# KiCad board SweetBusiness.kicad_pcb (continued)
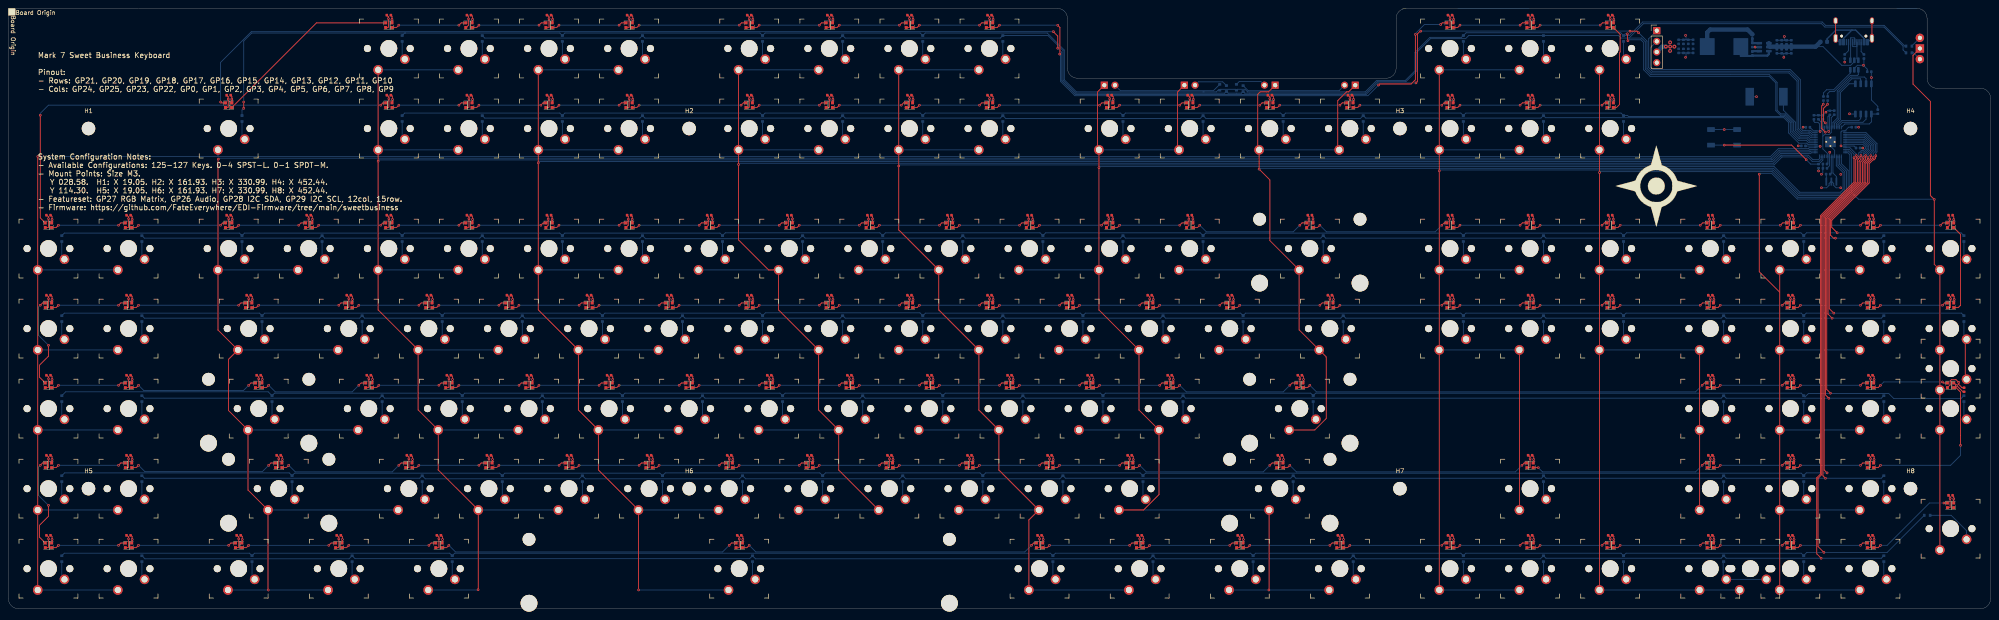
[diagram p0: board, top side]
## Nets (continued)
Net-(LD87-DOUT): LD87.1 LD88.3
Net-(LD88-DOUT): LD88.1 LD89.3
Net-(LD89-DOUT): LD89.1 LD90.3
Net-(LD90-DOUT): LD90.1 LD91.3
Net-(LD91-DOUT): LD91.1 LD92.3
Net-(LD93-DIN): LD93.3 LD94.1
Net-(LD94-DIN): LD94.3 LD95.1
Net-(LD95-DIN): LD95.3 LD96.1
Net-(LD96-DIN): LD96.3 LD97.1
Net-(LD97-DIN): LD97.3 LD98.1
Net-(LD98-DIN): LD98.3 LD99.1
Net-(LD100-DIN): LD100.3 LD101.1
Net-(LD100-DOUT): LD99.3 LD100.1
Net-(LD101-DIN): LD101.3 LD102.1
Net-(LD102-DIN): LD102.3 LD103.1
Net-(LD103-DIN): LD103.3 LD104.1
Net-(LD104-DIN): LD104.3 LD105.1
Net-(LD105-DIN): LD105.3 LD106.1
Net-(LD106-DIN): LD106.3 LD107.1
Net-(LD107-DIN): LD107.3 LD108.1
Net-(LD108-DIN): LD108.3 LD109.1
Net-(LD109-DIN): LD109.3 LD110.1
Net-(LD110-DIN): LD92.1 LD110.3
Net-(LD111-DIN): LD93.1 LD111.3
Net-(LD111-DOUT): LD111.1 LD112.3
Net-(LD112-DOUT): LD112.1 LD113.3
Net-(LD113-DOUT): LD113.1 LD114.3
Net-(LD114-DOUT): LD114.1 LD115.3
Net-(LD115-DOUT): LD115.1 LD116.3
Net-(LD116-DOUT): LD116.1 LD117.3
Net-(LD117-DOUT): LD117.1 LD118.3
Net-(LD118-DOUT): LD118.1 LD119.3
Net-(LD119-DOUT): LD119.1 LD120.3
Net-(LD120-DOUT): LD120.1 LD121.3
Net-(LD121-DOUT): LD121.1 LD122.3
Net-(LD122-DOUT): LD122.1 LD123.3
Net-(LD123-DOUT): LD123.1 LD124.3
Net-(LD124-DOUT): LD124.1 LD125.3
Net-(LD125-DOUT): LD125.1 LD126.3
Net-(LD126-DOUT): LD126.1 LD127.3
Net-(RX2-Pad2): RX2.2 Y0.3
Net-(U0-USB_DM): RD2.2 U0.46
Net-(U0-USB_DP): RD1.2 U0.47
Net-(U1-BS): CP1.1 U1.1
Net-(U1-FB): RP1.2 RP2.1 U1.3
Net-(U1-SW): CP1.2 LP1.1 U1.6

Pads without a net: J4 A8 B8; LD127 1; U0 24 25

## Via types
v1: diameter 0.6, hole 0.3, Top to Bottom, 583 vias
v2: diameter 0.9, hole 0.45, Top to Bottom, 5 vias

## Routing (per net, layer and track width the routed paths; a pad name or vN(x,y) marks a point on that pad's centre or on a via; arc(x,y) is an arc through that point)
+1V1: length 18.1
  Bottom w0.2: C10.1 432.79,106.07 U0.23 432.79,108.24 431.59,109.44 U0.45 431.59,116.48 ; 431.59,112.47 431.95,112.84 433.06,112.84 433.59,113.37 U0.50 433.59,116.88 C11.1
+3V3: length 429.8
  Top w0.2: 71.06,93.66 71.45,93.28 v1(71.45,92.83) 71.45,90.83 71.35,90.73 70.8,90.73 ; 300.9,120.41 v1(300.9,121.24) 300.9,121.97 300.63,122.24 ; LD42.4 280.79,91.28 v1(280.79,92.73) 280.79,93.38 LC42.2 ; 142.5,55.56 142.88,55.18 v1(142.88,54.73) 142.88,52.73 142.78,52.63 142.24,52.63 ; 195.86,122.24 196.12,121.97 v1(196.12,121.24) 196.12,120.41 ; 362.55,122.24 362.81,121.97 v1(362.81,121.24) 362.81,120.41 ; 29.44,72.78 v1(29.44,73.62) 29.44,74.35 29.17,74.61 ; 91.08,122.24 91.35,121.97 v1(91.35,121.24) 91.35,120.41 ; 244.89,17.46 245.28,17.08 v1(245.28,16.63) 245.28,14.63 245.18,14.53 244.63,14.53 ; 77.94,14.53 78.49,14.53 78.59,14.63 v1(78.59,16.63) 78.59,17.08 78.21,17.46 ; 57.75,74.61 58.01,74.35 v1(58.01,73.62) 58.01,72.78 ; 180.34,52.63 180.88,52.63 180.99,52.73 v1(180.99,54.73) 180.99,55.18 180.6,55.56 ; 65.15,34.68 v1(65.15,35.52) 65.15,36.25 64.89,36.51 ; LC50.2 461.76,93.38 v1(461.76,92.73) 461.76,91.28 LD50.4 ; 81.56,74.61 81.82,74.35 v1(81.82,73.62) 81.82,72.78 ; LD35.4 147.44,91.28 v1(147.44,92.73) 147.44,93.38 LC35.2 ; 233.96,74.61 234.22,74.35 v1(234.22,73.62) 234.22,72.78 ; 119.92,72.78 v1(119.92,73.62) 119.92,74.35 119.66,74.61 ; 95.84,36.51 96.11,36.25 v1(96.11,35.52) 96.11,34.68 ; 85.35,55.56 85.74,55.18 v1(85.74,54.73) 85.74,52.73 85.63,52.63 85.09,52.63 ; 123.19,52.63 123.74,52.63 123.84,52.73 v1(123.84,54.73) 123.84,55.18 123.45,55.56 ; 248.51,34.68 v1(248.51,35.52) 248.51,36.25 248.25,36.51 ; LC49.2 442.71,93.38 v1(442.71,92.73) 442.71,91.28 LD49.4 ; 343.76,72.78 v1(343.76,73.62) 343.76,74.35 343.5,74.61 ; LD38.4 204.59,91.28 v1(204.59,92.73) 204.59,93.38 LC38.2 ; 101.75,14.53 102.3,14.53 102.4,14.63 v1(102.4,16.63) 102.4,17.08 102.02,17.46 ; 272.06,74.61 272.32,74.35 v1(272.32,73.62) 272.32,72.78 ; LC40.2 242.69,93.38 v1(242.69,92.73) 242.69,91.28 LD40.4 ; 361.31,138.36 361.86,138.36 361.96,138.46 v1(361.96,140.46) 361.96,140.9 361.57,141.29 ; 115.16,34.68 v1(115.16,35.52) 115.16,36.25 114.9,36.51 ; LC43.2 309.36,93.38 v1(309.36,92.73) 309.36,91.28 LD43.4 ; 342.52,17.46 342.91,17.08 v1(342.91,16.63) 342.91,14.63 342.81,14.53 342.26,14.53 ; 28.2,55.56 28.58,55.18 v1(28.58,54.73) 28.58,52.73 28.48,52.63 27.94,52.63 ; 267.3,36.51 267.56,36.25 v1(267.56,35.52) 267.56,34.68 ; LC37.2 185.54,93.38 v1(185.54,92.73) 185.54,91.28 LD37.4 ; 443.77,34.68 v1(443.77,35.52) 443.77,36.25 443.51,36.51 ; 362.81,72.78 v1(362.81,73.62) 362.81,74.35 362.55,74.61 ; 194.89,141.29 195.27,140.9 v1(195.27,140.46) 195.27,138.46 195.17,138.36 194.62,138.36 ; 306.54,52.63 307.09,52.63 307.19,52.73 v1(307.19,54.73) 307.19,55.18 306.81,55.56 ; 100.61,74.61 100.87,74.35 v1(100.87,73.62) 100.87,72.78 ; 256.54,52.63 257.08,52.63 257.19,52.73 v1(257.19,54.73) 257.19,55.18 256.8,55.56 ; 362.55,36.51 362.81,36.25 v1(362.81,35.52) 362.81,34.68 ; 424.46,36.51 424.72,36.25 v1(424.72,35.52) 424.72,34.68 ; 54.39,17.46 54.78,17.08 v1(54.78,16.63) 54.78,14.63 54.68,14.53 54.13,14.53 ; 196.12,72.78 v1(196.12,73.62) 196.12,74.35 195.86,74.61 ; 404.17,14.53 404.72,14.53 404.82,14.63 v1(404.82,16.63) 404.82,17.08 404.44,17.46 ; 109.16,141.29 109.43,141.02 v1(109.43,140.4) 109.44,140.39 109.44,138.9 108.9,138.36 ; 177.07,72.78 v1(177.07,73.62) 177.07,74.35 176.81,74.61 ; 253.27,72.78 v1(253.27,73.62) 253.27,74.35 253.01,74.61 ; 229.19,36.51 229.46,36.25 v1(229.46,35.52) 229.46,34.68 ; 108.9,90.73 109.45,90.73 109.55,90.83 v1(109.55,92.83) 109.55,93.28 109.16,93.66 ; 462.82,72.78 v1(462.82,73.62) 462.82,74.35 462.56,74.61 ; 303.01,36.51 303.28,36.25 v1(303.28,35.52) 303.28,34.68 ; LD44.4 342.67,90.73 342.8,90.87 v1(342.8,92.77) 342.8,93.27 LC44.2 ; 29.44,34.68 v1(29.44,35.52) 29.44,36.25 29.17,36.51 ; 8.89,14.53 9.44,14.53 9.53,14.63 v1(9.53,16.63) 9.53,17.08 9.15,17.46 ; 423.22,52.63 423.77,52.63 423.87,52.73 v1(423.87,54.73) 423.87,55.18 423.49,55.56 ; 342.26,138.36 342.81,138.36 342.91,138.46 v1(342.91,140.46) 342.91,140.9 342.52,141.29 ; LD47.4 404.61,91.28 v1(404.61,92.73) 404.61,93.38 LC47.2 ; 275.58,52.63 276.13,52.63 276.24,52.73 v1(276.24,54.73) 276.24,55.18 275.85,55.56 ; 213.94,141.29 214.32,140.9 v1(214.32,140.46) 214.32,138.46 214.22,138.36 213.67,138.36 ; 129.45,120.41 v1(129.45,121.24) 129.45,121.97 129.18,122.24 ; LC36.2 166.49,93.38 v1(166.49,92.73) 166.49,91.28 LD36.4 ; LC46.2 380.8,93.38 v1(380.8,92.8) 380.8,91.28 LD46.4 ; 404.44,55.56 404.82,55.18 v1(404.82,54.73) 404.82,52.73 404.72,52.63 404.17,52.63 ; 343.5,122.24 343.76,121.97 v1(343.76,121.24) 343.76,120.41 ; 210.41,34.68 v1(210.41,35.52) 210.41,36.25 210.14,36.51 ; 232.99,141.29 233.37,140.9 v1(233.37,140.46) 233.37,138.46 233.27,138.36 232.72,138.36 ; 153.26,34.68 v1(153.26,35.52) 153.26,36.25 153,36.51 ; 442.27,52.63 442.82,52.63 442.92,52.73 v1(442.92,54.73) 442.92,55.18 442.54,55.56 ; 27.94,90.73 28.48,90.73 28.58,90.83 v1(28.58,92.83) 28.58,93.28 28.2,93.66 ; 237.75,55.56 238.13,55.18 v1(238.13,54.73) 238.13,52.73 238.04,52.63 237.49,52.63 ; 173.19,14.53 173.74,14.53 173.84,14.63 v1(173.84,16.63) 173.84,17.08 173.46,17.46 ; 10.39,34.68 v1(10.39,35.52) 10.39,36.25 10.12,36.51 ; LD34.4 128.39,91.28 v1(128.39,92.73) 128.39,93.38 LC34.2 ; 28.2,17.46 28.58,17.08 v1(28.58,16.63) 28.58,14.63 28.48,14.53 27.94,14.53 ; 292.25,14.53 292.8,14.53 292.9,14.63 v1(292.9,16.63) 292.9,17.08 292.52,17.46 ; 405.67,72.78 v1(405.67,73.62) 405.67,74.35 405.41,74.61 ; 51.75,90.73 52.3,90.73 52.4,90.83 v1(52.4,92.83) 52.4,93.28 52.01,93.66 ; 381.86,72.78 v1(381.86,73.62) 381.86,74.35 381.6,74.61 ; 90.11,93.66 90.5,93.28 v1(90.5,92.83) 90.5,90.83 90.4,90.73 89.85,90.73 ; 314.92,74.61 315.19,74.35 v1(315.19,73.62) 315.19,72.78 ; 138.71,74.61 138.97,74.35 v1(138.97,73.62) 138.97,72.78 ; 175.84,141.29 176.22,140.9 v1(176.22,140.46) 176.22,138.46 176.12,138.36 175.57,138.36 ; 361.31,14.53 361.86,14.53 361.96,14.63 v1(361.96,16.63) 361.96,17.08 361.57,17.46 ; LD127.4 461.76,24.06 461.86,24.16 v1(461.86,26.23) 461.86,26.6 LC127.2 ; 405.41,36.51 405.67,36.25 v1(405.67,35.52) 405.67,34.68 ; 58.89,52.63 59.44,52.63 59.54,52.73 v1(59.54,54.73) 59.54,55.18 59.16,55.56 ; 381.6,122.24 381.86,121.97 v1(381.86,121.24) 381.86,120.41 ; 199.65,55.56 200.04,55.18 v1(200.04,54.73) 200.04,52.73 199.94,52.63 199.38,52.63 ; 9.15,55.56 9.53,55.18 v1(9.53,54.73) 9.53,52.73 9.44,52.63 8.89,52.63 ; 9.15,93.66 9.53,93.28 v1(9.53,92.83) 9.53,90.83 9.44,90.73 8.89,90.73 ; 443.77,72.78 v1(443.77,73.62) 443.77,74.35 443.51,74.61 ; LC2.2 90.39,140.9 v1(90.39,140.46) 90.39,138.46 90.29,138.36 LD2.4 ; LC41.2 261.74,93.38 v1(261.74,92.86) 261.74,91.28 LD41.4 ; LD39.4 223.64,91.28 v1(223.64,92.73) 223.64,93.38 LC39.2 ; 104.4,55.56 104.78,55.18 v1(104.78,54.73) 104.78,52.73 104.69,52.63 104.13,52.63 ; 110.4,120.41 v1(110.4,121.24) 110.4,121.97 110.13,122.24 ; LD45.4 361.75,91.28 v1(361.75,92.8) 361.75,93.38 LC45.2 ; 172.31,34.68 v1(172.31,35.52) 172.31,36.25 172.04,36.51 ; 281.58,122.24 281.85,121.97 v1(281.85,121.24) 281.85,120.41 ; 147.26,141.29 147.65,140.9 v1(147.65,140.46) 147.65,138.46 147.55,138.36 147,138.36 ; 176.81,122.24 177.07,121.97 v1(177.07,121.24) 177.07,120.41 ; 191.36,34.68 v1(191.36,35.52) 191.36,36.25 191.09,36.51 ; 291.37,72.78 v1(291.37,73.62) 291.37,74.35 291.11,74.61 ; 316.07,14.53 316.62,14.53 316.72,14.63 v1(316.72,16.63) 316.72,17.08 316.33,17.46 ; 161.55,55.56 161.94,55.18 v1(161.94,54.73) 161.94,52.73 161.84,52.63 161.28,52.63 ; 134.21,34.68 v1(134.21,35.52) 134.21,36.25 133.94,36.51 ; 424.46,74.61 424.72,74.35 v1(424.72,73.62) 424.72,72.78 ; 423.49,17.46 423.87,17.08 v1(423.87,16.63) 423.87,14.63 423.77,14.53 423.22,14.53 ; LD92.4 461.87,53.29 461.87,54.21 462.17,54.51 463.25,54.51 v1(463.91,53.86) 463.91,53.37 464.68,52.6 LC92.2 ; LC48.2 423.66,93.38 v1(423.66,92.86) 423.66,91.28 LD48.4 ; 157.76,74.61 158.02,74.35 v1(158.02,73.62) 158.02,72.78 ; LD1.4 52.19,119.31 52.29,119.41 v1(52.29,121.32) 52.29,121.85 LC1.2 ; 128.21,141.29 128.6,140.9 v1(128.6,140.46) 128.6,138.46 128.5,138.36 127.95,138.36 ; 234.22,120.41 v1(234.22,121.24) 234.22,121.86 LC20.2 ; 262.8,120.41 v1(262.8,121.24) 262.8,121.86 LC21.2 ; 319.68,122.24 319.95,121.97 v1(319.95,121.24) 319.95,120.41 ; 214.91,74.61 215.17,74.35 v1(215.17,73.62) 215.17,72.78 ; 380.36,14.53 380.91,14.53 381.01,14.63 v1(381.01,16.63) 381.01,17.08 380.62,17.46 ; 218.44,52.63 218.99,52.63 219.08,52.73 v1(219.08,54.73) 219.08,55.18 218.7,55.56 ; 148.23,122.24 148.5,121.97 v1(148.5,121.24) 148.5,120.41 ; 10.39,72.78 v1(10.39,73.62) 10.39,74.35 10.12,74.61 ; 380.36,138.36 380.91,138.36 381.01,138.46 v1(381.01,140.46) 381.01,140.9 380.62,141.29 ; 442.27,14.53 442.82,14.53 442.92,14.63 v1(442.92,16.63) 442.92,17.08 442.54,17.46 ; 215.17,120.41 v1(215.17,121.24) 215.17,121.97 214.91,122.24 ; 268.71,17.46 269.09,17.08 v1(269.09,16.63) 269.09,14.63 268.99,14.53 268.44,14.53
  Bottom w0.2: C8.1 431.19,115.84 U0.44 431.19,113.85 v1(430.94,113.6) ; v1(430.94,113.6) 430.79,113.76 U0.43 430.79,115.41 430.43,115.76 429.67,115.76 429.47,115.96 C7.1 ; v1(430.94,113.6) 430.82,113.73 U0.42 429.37,113.73 C6.1 ; 427.49,110.12 U0.33 430.86,110.12 v1(430.94,110.05) ; C2.1 437.72,114.62 U0.1 436.15,113.73 435.9,113.47 v1(435.9,110.17) 435.94,110.12 U0.10 439.01,110.12 C3.1 ; CF1.1 443.11,126.45 v1(443.13,126.43) U2.8 443.13,121.09 444.66,119.57 RF1.2 ; 433.19,117.49 U0.49 433.19,113.81 v1(432.97,113.6) 432.79,113.79 U0.48 432.79,117.09 C1.1 ; C4.1 433.19,105.46 U0.22 433.19,108.61 v1(433.23,108.65) ; RR1.1 v1(430.56,104.2)
  Bottom w1: LP1.2 404.08,137.16 404.78,137.86 413.67,137.86 414.81,136.72 ; J2.3 393.36,133.79 v2(394.24,133.79)
  vias: v2(395.26,134.81) v2(395.26,133.79) v2(395.26,132.78) v2(396.27,133.79)
+5v: length 15.8
  Bottom w0.3: 438.5,137.73 436.49,135.72 436.49,134.86 ; 438.5,137.73 439.38,137.73 441.39,135.72 J4.A9 ; 438.5,137.73 434.69,137.73 432.59,135.63 F1.1
GND: length 411.7
  Top w0.2: 200.62,55.56 200.88,55.3 v1(200.88,54.57) 200.88,53.73 ; 195.86,141.29 196.12,141.02 v1(196.12,140.29) 196.12,139.46 ; 380.62,74.61 381.01,74.23 v1(381.01,73.78) 381.01,71.78 380.91,71.68 380.36,71.68 ; 343.76,139.46 v1(343.76,140.29) 343.76,141.02 343.5,141.29 ; 86.59,53.73 v1(86.59,54.57) 86.59,55.3 86.32,55.56 ; 110.13,93.66 110.4,93.4 v1(110.4,92.67) 110.4,91.83 ; 91.08,93.66 91.35,93.4 v1(91.35,92.67) 91.35,91.83 ; LD92.2 462.82,53.73 464.92,51.63 LC92.1 ; 152.03,36.51 152.41,36.13 v1(152.41,35.68) 152.41,33.68 152.31,33.58 151.76,33.58 ; 301.78,33.58 302.33,33.58 302.43,33.68 v1(302.43,35.68) 302.43,36.13 302.04,36.51 ; 10.39,91.83 v1(10.39,92.67) 10.39,93.4 10.12,93.66 ; 27.94,71.68 28.48,71.68 28.58,71.78 v1(28.58,73.78) 28.58,74.23 28.2,74.61 ; 266.32,36.51 266.71,36.13 v1(266.71,35.68) 266.71,33.68 266.61,33.58 266.06,33.58 ; LD40.2 v1(243.64,92.67) 243.64,93.4 LC40.1 ; 342.26,119.31 342.81,119.31 342.91,119.41 v1(342.91,121.41) 342.91,121.85 342.52,122.24 ; 258.04,53.73 v1(258.04,54.57) 258.04,55.3 257.77,55.56 ; 181.84,53.73 v1(181.84,54.57) 181.84,55.3 181.57,55.56 ; LD1.2 v1(53.14,121.3) 53.14,121.97 LC1.1 ; LC127.1 462.71,26.72 v1(462.71,26.14) LD127.2 ; 234.22,139.46 v1(234.22,140.29) 234.22,141.02 233.96,141.29 ; LD49.2 v1(443.66,92.79) 443.66,93.4 LC49.1 ; LD50.2 v1(462.71,92.67) 462.71,93.4 LC50.1 ; 380.36,119.31 380.91,119.31 381.01,119.41 v1(381.01,121.41) 381.01,121.85 380.62,122.24 ; 227.96,33.58 228.51,33.58 228.61,33.68 v1(228.61,35.68) 228.61,36.13 228.23,36.51 ; 299.66,122.24 300.05,121.85 v1(300.05,121.41) 300.05,119.41 299.95,119.31 299.4,119.31 ; LD38.2 v1(205.54,92.79) 205.54,93.4 LC38.1 ; LD42.2 v1(281.74,92.79) 281.74,93.4 LC42.1 ; 461.32,71.68 461.87,71.68 461.97,71.78 v1(461.97,73.78) 461.97,74.23 461.59,74.61 ; 175.57,119.31 176.12,119.31 176.22,119.41 v1(176.22,121.41) 176.22,121.85 175.84,122.24 ; LC41.1 262.69,93.4 v1(262.69,92.79) LD41.2 ; 423.22,71.68 423.77,71.68 423.87,71.78 v1(423.87,73.78) 423.87,74.23 423.49,74.61 ; 247.01,33.58 247.56,33.58 247.66,33.68 v1(247.66,35.68) 247.66,36.13 247.27,36.51 ; 29.44,91.83 v1(29.44,92.67) 29.44,93.4 29.17,93.66 ; LC47.1 405.56,93.4 v1(405.56,92.79) LD47.2 ; 269.68,17.46 269.94,17.2 v1(269.94,16.47) 269.94,15.63 ; 190.12,36.51 190.51,36.13 v1(190.51,35.68) 190.51,33.68 190.41,33.58 189.86,33.58 ; 118.42,71.68 118.97,71.68 119.07,71.78 v1(119.07,73.78) 119.07,74.23 118.69,74.61 ; 194.89,122.24 195.27,121.85 v1(195.27,121.41) 195.27,119.41 195.17,119.31 194.62,119.31 ; 8.89,71.68 9.44,71.68 9.53,71.78 v1(9.53,73.78) 9.53,74.23 9.15,74.61 ; 442.27,33.58 442.82,33.58 442.92,33.68 v1(442.92,35.68) 442.92,36.13 442.54,36.51 ; 94.61,33.58 95.16,33.58 95.26,33.68 v1(95.26,35.68) 95.26,36.13 94.88,36.51 ; LC2.1 91.24,141.02 v1(91.24,140.29) LD2.2 ; 156.52,71.68 157.07,71.68 157.17,71.78 v1(157.17,73.78) 157.17,74.23 156.79,74.61 ; 232.72,71.68 233.27,71.68 233.37,71.78 v1(233.37,73.78) 233.37,74.23 232.99,74.61 ; 174.43,17.46 174.69,17.2 v1(174.69,16.47) 174.69,15.63 ; 10.39,15.63 v1(10.39,16.47) 10.39,17.2 10.12,17.46 ; 29.44,53.73 v1(29.44,54.57) 29.44,55.3 29.17,55.56 ; 105.37,55.56 105.63,55.3 v1(105.63,54.57) 105.63,53.73 ; 89.85,119.31 90.4,119.31 90.5,119.41 v1(90.5,121.41) 90.5,121.85 90.11,122.24 ; 405.67,15.63 v1(405.67,16.47) 405.67,17.2 405.41,17.46 ; 213.94,74.61 214.32,74.23 v1(214.32,73.78) 214.32,71.78 214.22,71.68 213.67,71.68 ; 381.86,139.46 v1(381.86,140.29) 381.86,141.02 381.6,141.29 ; 102.99,17.46 103.25,17.2 v1(103.25,16.47) 103.25,15.63 ; LC37.1 186.49,93.4 v1(186.49,92.79) LD37.2 ; 110.13,141.29 110.4,141.02 v1(110.4,140.29) 110.4,139.46 ; 124.69,53.73 v1(124.69,54.57) 124.69,55.3 124.42,55.56 ; 424.46,55.56 424.72,55.3 v1(424.72,54.57) 424.72,53.73 ; 313.69,71.68 314.24,71.68 314.33,71.78 v1(314.33,73.78) 314.33,74.23 313.95,74.61 ; 246.13,15.63 v1(246.13,16.47) 246.13,17.2 245.86,17.46 ; LD48.2 v1(424.61,92.79) 424.61,93.4 LC48.1 ; 362.55,17.46 362.81,17.2 v1(362.81,16.47) 362.81,15.63 ; 72.3,91.83 v1(72.3,92.67) 72.3,93.4 72.03,93.66 ; 404.44,74.61 404.82,74.23 v1(404.82,73.78) 404.82,71.78 404.72,71.68 404.17,71.68 ; LC20.1 233.37,121.74 v1(233.37,121.41) 233.37,119.41 233.27,119.31 232.72,119.31 ; 317.3,17.46 317.57,17.2 v1(317.57,16.47) 317.57,15.63 ; 361.31,33.58 361.86,33.58 361.96,33.68 v1(361.96,35.68) 361.96,36.13 361.57,36.51 ; 175.57,71.68 176.12,71.68 176.22,71.78 v1(176.22,73.78) 176.22,74.23 175.84,74.61 ; 53.25,91.83 v1(53.25,92.67) 53.25,93.4 52.98,93.66 ; 108.9,119.31 109.45,119.31 109.55,119.41 v1(109.55,121.41) 109.55,121.85 109.16,122.24 ; 29.17,17.46 29.44,17.2 v1(29.44,16.47) 29.44,15.63 ; LD45.2 v1(362.7,92.73) 362.7,93.4 LC45.1 ; 171.07,36.51 171.46,36.13 v1(171.46,35.68) 171.46,33.68 171.36,33.58 170.81,33.58 ; 361.57,74.61 361.96,74.23 v1(361.96,73.78) 361.96,71.78 361.86,71.68 361.31,71.68 ; 162.78,53.73 v1(162.78,54.57) 162.78,55.3 162.52,55.56 ; 55.36,17.46 55.63,17.2 v1(55.63,16.47) 55.63,15.63 ; 63.92,36.51 64.3,36.13 v1(64.3,35.68) 64.3,33.68 64.2,33.58 63.65,33.58 ; 443.77,53.73 v1(443.77,54.57) 443.77,55.3 443.51,55.56 ; 60.39,53.73 v1(60.39,54.57) 60.39,55.3 60.13,55.56 ; 213.67,119.31 214.22,119.31 214.32,119.41 v1(214.32,121.41) 214.32,121.85 213.94,122.24 ; 361.31,119.31 361.86,119.31 361.96,119.41 v1(361.96,121.41) 361.96,121.85 361.57,122.24 ; 79.44,15.63 v1(79.44,16.47) 79.44,17.2 79.18,17.46 ; 280.61,122.24 281,121.85 v1(281,121.41) 281,119.41 280.9,119.31 280.35,119.31 ; 128.21,122.24 128.6,121.85 v1(128.6,121.41) 128.6,119.41 128.5,119.31 127.95,119.31 ; 271.09,74.61 271.47,74.23 v1(271.47,73.78) 271.47,71.78 271.37,71.68 270.82,71.68 ; 308.04,53.73 v1(308.04,54.57) 308.04,55.3 307.78,55.56 ; 113.93,36.51 114.31,36.13 v1(114.31,35.68) 114.31,33.68 114.21,33.58 113.66,33.58 ; 10.12,55.56 10.39,55.3 v1(10.39,54.57) 10.39,53.73 ; 276.82,55.56 277.08,55.3 v1(277.08,54.57) 277.08,53.73 ; 424.72,15.63 v1(424.72,16.47) 424.72,17.2 424.46,17.46 ; 194.89,74.61 195.27,74.23 v1(195.27,73.78) 195.27,71.78 195.17,71.68 194.62,71.68 ; LD44.2 v1(343.65,92.73) 343.65,93.4 LC44.1 ; 28.2,36.51 28.58,36.13 v1(28.58,35.68) 28.58,33.68 28.48,33.58 27.94,33.58 ; 8.89,33.58 9.44,33.58 9.53,33.68 v1(9.53,35.68) 9.53,36.13 9.15,36.51 ; 215.17,139.46 v1(215.17,140.29) 215.17,141.02 214.91,141.29 ; 318.45,119.31 319,119.31 319.1,119.41 v1(319.1,121.41) 319.1,121.85 318.71,122.24 ; 137.47,71.68 138.02,71.68 138.12,71.78 v1(138.12,73.78) 138.12,74.23 137.74,74.61 ; 56.51,71.68 57.06,71.68 57.16,71.78 v1(57.16,73.78) 57.16,74.23 56.78,74.61 ; 343.76,15.63 v1(343.76,16.47) 343.76,17.2 343.5,17.46 ; 208.91,33.58 209.46,33.58 209.56,33.68 v1(209.56,35.68) 209.56,36.13 209.18,36.51 ; 443.77,15.63 v1(443.77,16.47) 443.77,17.2 443.51,17.46 ; 252.04,74.61 252.42,74.23 v1(252.42,73.78) 252.42,71.78 252.32,71.68 251.77,71.68 ; 290.14,74.61 290.52,74.23 v1(290.52,73.78) 290.52,71.78 290.42,71.68 289.87,71.68 ; 423.22,33.58 423.77,33.58 423.87,33.68 v1(423.87,35.68) 423.87,36.13 423.49,36.51 ; 405.67,53.73 v1(405.67,54.57) 405.67,55.3 405.41,55.56 ; 99.37,71.68 99.92,71.68 100.02,71.78 v1(100.02,73.78) 100.02,74.23 99.64,74.61 ; 129.45,139.46 v1(129.45,140.29) 129.45,141.02 129.18,141.29 ; 177.07,139.46 v1(177.07,140.29) 177.07,141.02 176.81,141.29 ; 147,119.31 147.55,119.31 147.65,119.41 v1(147.65,121.41) 147.65,121.85 147.26,122.24 ; LC21.1 261.95,121.74 v1(261.95,121.41) 261.95,119.41 261.85,119.31 261.3,119.31 ; 238.72,55.56 238.99,55.3 v1(238.99,54.57) 238.99,53.73 ; LC46.1 381.75,93.4 v1(381.75,92.73) LD46.2 ; 132.71,33.58 133.26,33.58 133.36,33.68 v1(133.36,35.68) 133.36,36.13 132.97,36.51 ; 404.44,36.51 404.82,36.13 v1(404.82,35.68) 404.82,33.68 404.72,33.58 404.17,33.58 ; 362.55,141.29 362.81,141.02 v1(362.81,140.29) 362.81,139.46 ; 293.49,17.46 293.75,17.2 v1(293.75,16.47) 293.75,15.63 ; LD36.2 v1(167.44,92.79) 167.44,93.4 LC36.1 ; LD34.2 v1(129.34,92.67) 129.34,93.4 LC34.1 ; 219.67,55.56 219.94,55.3 v1(219.94,54.57) 219.94,53.73 ; J4.S1 J4.S1 ; 342.52,74.61 342.91,74.23 v1(342.91,73.78) 342.91,71.78 342.81,71.68 342.26,71.68 ; 442.27,71.68 442.82,71.68 442.92,71.78 v1(442.92,73.78) 442.92,74.23 442.54,74.61 ; LD43.2 v1(310.31,92.79) 310.31,93.4 LC43.1 ; LD39.2 v1(224.59,92.79) 224.59,93.4 LC39.1 ; J4.S1 J4.S1 ; 80.32,71.68 80.87,71.68 80.97,71.78 v1(80.97,73.78) 80.97,74.23 80.59,74.61 ; 381.6,17.46 381.86,17.2 v1(381.86,16.47) 381.86,15.63 ; LD35.2 v1(148.39,92.67) 148.39,93.4 LC35.1 ; 148.23,141.29 148.5,141.02 v1(148.5,140.29) 148.5,139.46 ; 143.74,53.73 v1(143.74,54.57) 143.74,55.3 143.47,55.56
  Bottom w0.2: 422.43,135.32 CP5.1 ; 422.43,135.32 CP2.1 ; 422.43,135.32 422.43,136.21 v1(422.43,136.21) ; 399.04,135.42 CP10.2 ; 399.04,135.42 399.04,136.36 v1(398.94,136.46) ; 399.04,135.42 CP13.2 ; C3.2 v1(441.1,109.66) ; v1(441.23,129.35) 442.14,128.44 CF1.2 ; v1(441.23,129.35) 439.8,129.35 439.07,128.62 ; v1(441.23,129.35) 441.36,129.48 RC1.1 ; C5.2 425.75,110.16 v1(425.74,110.17) ; C6.2 426.9,114.59 v1(426.88,114.62) ; 442.35,134.86 J4.S1 ; C11.2 432.7,118.56 v1(432.33,118.19) C9.2 C7.2 ; CP17.2 399.04,132.29 ; 399.04,132.29 CP14.2 ; 399.04,132.29 399.04,131.36 v1(398.94,131.25) ; C2.2 v1(440.09,114.62) ; v1(431.25,103.42) 431.58,103.75 431.58,104.82 C4.2 C10.2 ; CP6.1 422.36,132.19 ; 422.36,132.19 422.31,132.14 v1(422.31,131.25) ; 422.36,132.19 CP9.1 ; v1(437.93,117.79) 437.97,117.75 U2.4 ; v1(431.25,100.19) 432.49,100.19 433.07,100.77 433.07,101.21 433.52,101.66 Y0.2 433.72,101.66 434.17,101.21 434.17,100.75 434.73,100.19 v1(435.84,100.19) ; S2.1 v1(408.14,114.05) S2.1 ; 416.45,133.69 v1(415.47,133.69) RP2.2 ; TX0.2 v1(415.8,121.88) ; U0.57 434.39,109.12 U0.19 ; 435.54,134.86 J4.S1 ; RC2.2 v1(436.78,130.11)
  vias: v1(435.84,103.39) v1(463.44,53.11)
VBUS: length 24.8
  Bottom w0.2: 439.07,130.2 438.22,129.35 436.07,129.35 431.63,133.79 429.87,133.79
  Bottom w1: U1.4 418.75,134.05 419,133.79 429.87,133.79 F1.2
0: length 493.2
  Top w0.2: v1(435.01,89.47) 433.71,90.77 433.71,92.45 442.6,101.35 442.6,105.91 443.55,106.86 443.78,106.86 444.14,107.22 444.14,107.8 v1(444.18,107.84)
  Bottom w0.2: D46.1 383.58,89.41 346.67,89.41 D44.1 345.48,89.41 284.76,89.41 D42.1 283.5,89.47 246.73,89.47 D40.1 245.4,89.47 208.63,89.47 D38.1 207.3,89.47 170.53,89.47 D36.1 169.26,89.41 132.36,89.41 D34.1 131.16,89.41 94.26,89.41 D32.1 93.06,89.41 56.16,89.41 D30.1 54.96,89.41 13.3,89.41 D28.1 ; U0.2 441.84,113.33 444.46,110.71 444.46,108.75 444.18,108.47 v1(444.18,107.84) ; 384.23,88.81 384.89,89.47 426.37,89.47 D48.1 427.7,89.47 v1(435.01,89.47) 464.47,89.47 D50.1
1: length 455.2
  Top w0.2: v1(434.6,88.21) 434.1,88.21 433.41,88.9 433.41,92.58 442.2,101.37 442.2,106.02 v1(443.57,107.38)
  Bottom w0.2: 150.81,88.8 151.54,88.07 188.18,88.07 D37.1 189.51,88.21 226.41,88.21 D39.1 227.61,88.21 264.51,88.21 D41.1 265.71,88.21 312.14,88.21 D43.1 313.34,88.21 364.53,88.21 D45.1 365.72,88.21 407.39,88.21 D47.1 408.59,88.21 445.49,88.21 D49.1 ; U0.3 441.73,112.93 444.1,110.55 444.1,108.93 443.57,108.39 v1(443.57,107.38) ; D35.1 150.21,88.2 113.32,88.2 112.71,88.8 ; D33.1 112.11,88.21 75.21,88.21 D31.1 74.01,88.21 32.35,88.21 D29.1
2: length 510.5
  Top w0.2: v1(442.97,107.83) 442.97,107.24 441.8,106.07 441.8,101.4 433.11,92.7 433.11,71.45 v1(434.2,70.36)
  Bottom w0.2: D73.1 464.54,70.36 427.64,70.36 D71.1 426.44,70.36 384.77,70.36 D69.1 383.58,70.36 346.67,70.36 D67.1 345.48,70.36 294.29,70.36 D65.1 293.09,70.36 256.19,70.36 D63.1 254.99,70.36 218.14,70.36 217.54,69.76 ; 60.38,69.76 60.97,70.36 102.59,70.36 D55.1 103.79,70.36 140.69,70.36 D57.1 141.89,70.36 178.79,70.36 D59.1 180.05,70.42 216.82,70.42 D61.1 ; U0.4 441.62,112.53 443.7,110.44 443.7,109.06 442.97,108.33 v1(442.97,107.83) ; D53.1 59.73,70.36 13.3,70.36 D51.1
3: length 472.5
  Top w0.2: v1(442.32,107.38) 442.32,107.06 441.4,106.14 441.4,101.42 432.81,92.82 432.81,70.15 v1(433.8,69.16)
  Bottom w0.2: D72.1 445.49,69.16 408.59,69.16 D70.1 407.39,69.16 365.72,69.16 D68.1 364.53,69.16 318.1,69.16 D66.1 316.9,69.16 275.24,69.16 D64.1 274.04,69.16 237.14,69.16 D62.1 235.94,69.16 199.04,69.16 D60.1 197.84,69.16 160.94,69.16 D58.1 159.74,69.16 122.84,69.16 D56.1 121.64,69.16 84.74,69.16 D54.1 83.54,69.16 32.35,69.16 D52.1 ; U0.5 441.51,112.12 443.3,110.33 443.3,109.17 442.32,108.19 v1(442.32,107.38)